# KiCad board Main_board.kicad_pcb
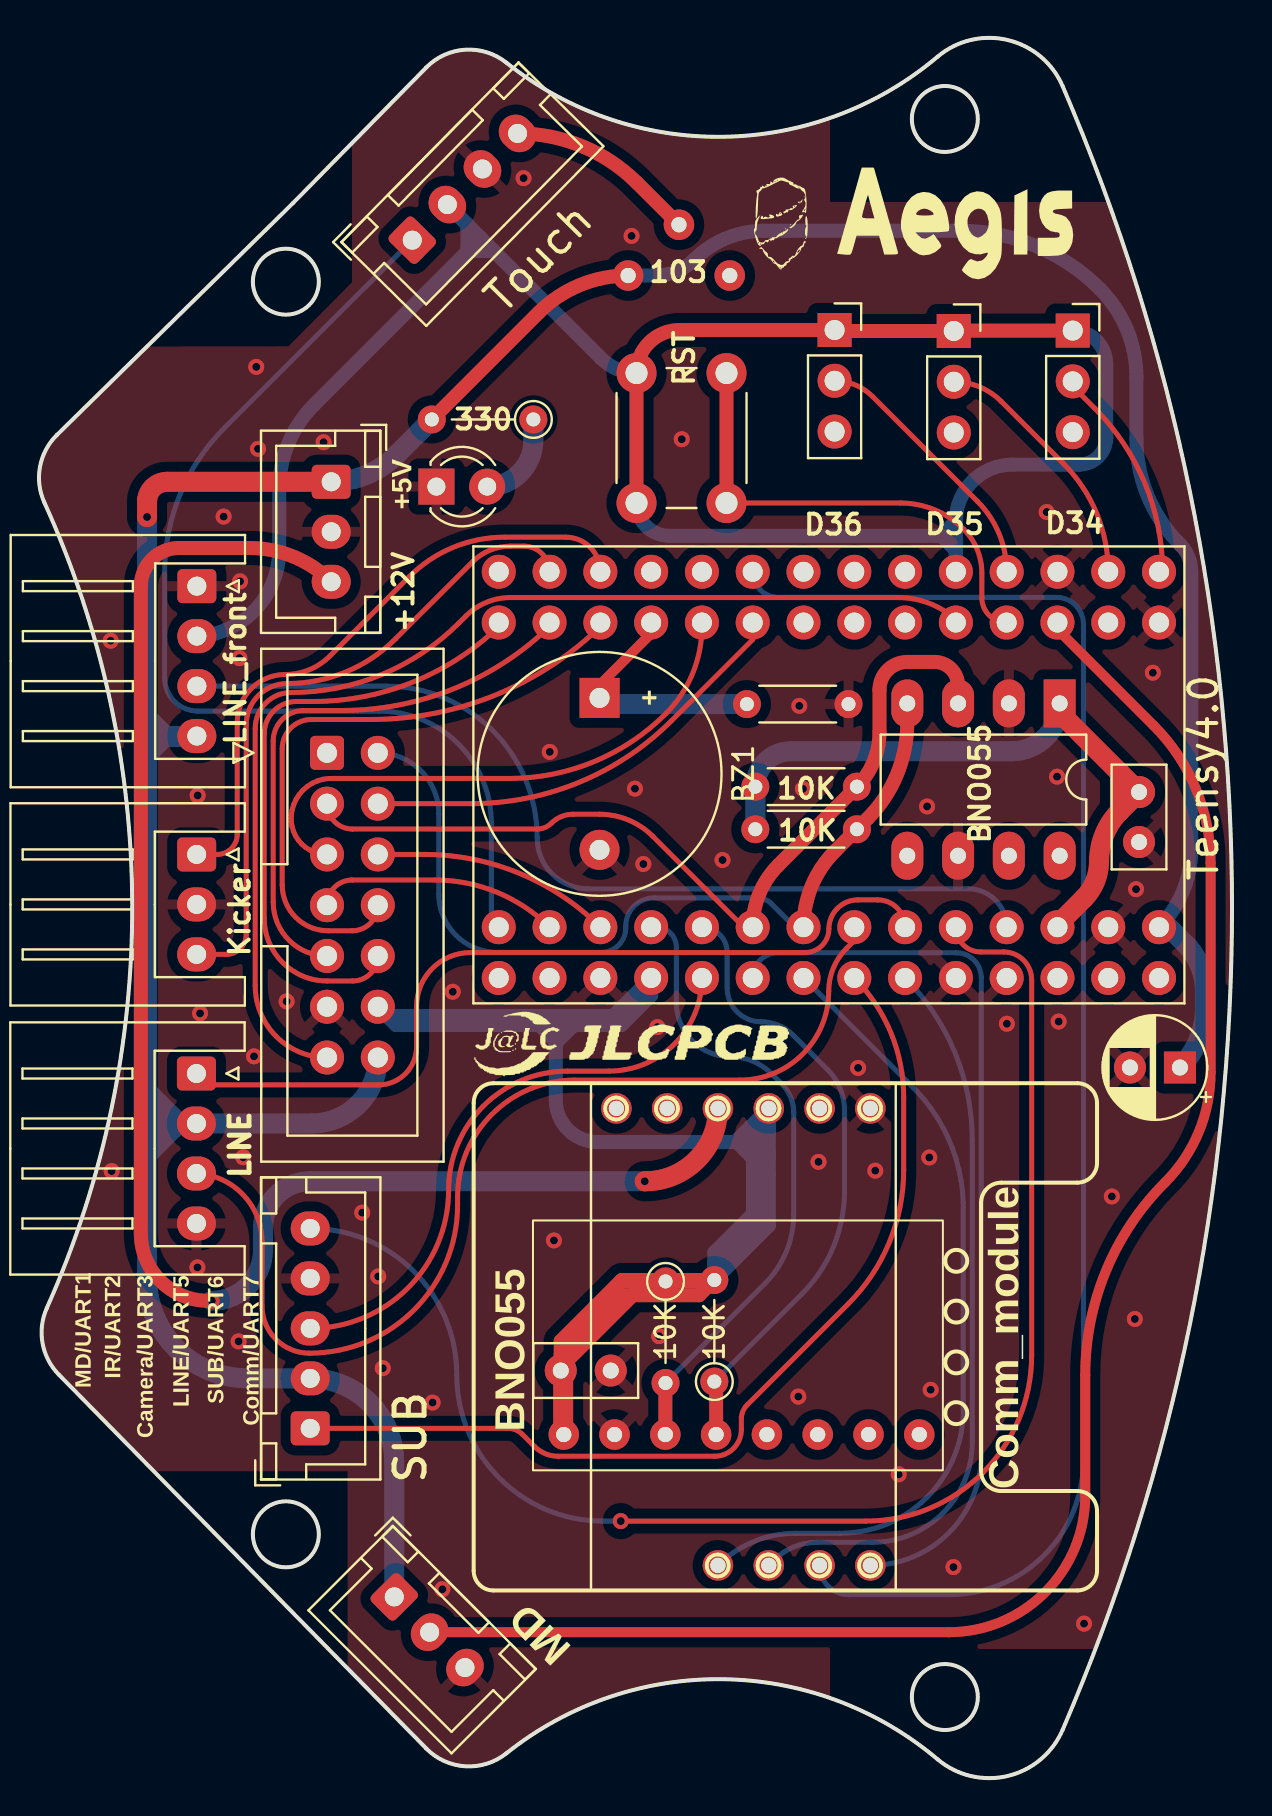
[diagram p0: board, top side]
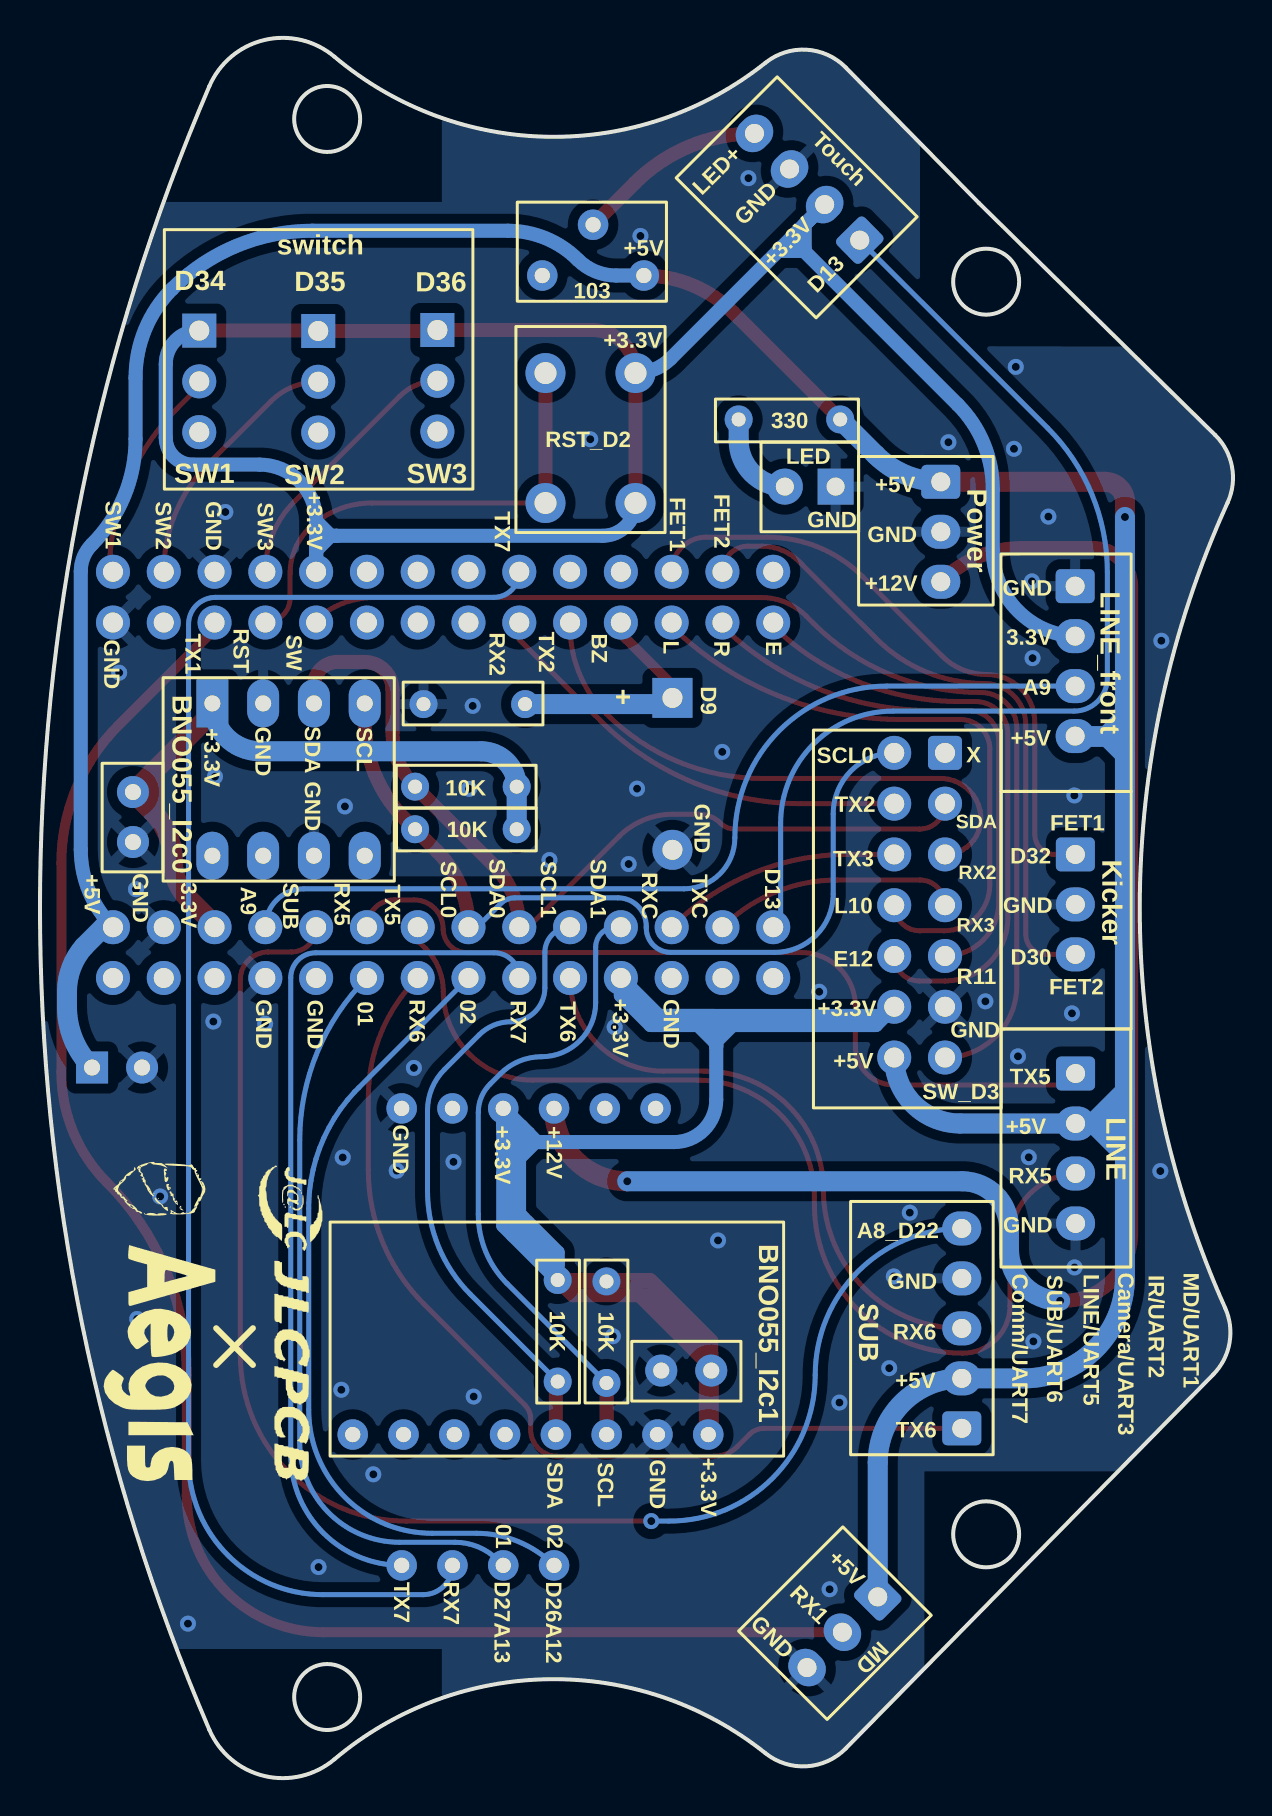
[diagram p1: board, bottom side, seen from below]

Outline 59.66 x 87.06 mm; copper layers: Top, Bottom. Coordinates in mm from the lower left corner of the outline.
Outline path: circle c12.35,74.86 r1.65 ; circle c12.35,12.2 r1.65 ; circle c45.3,83 r1.65 ; circle c45.3,4.06 r1.65 ; 0.27,63.81 arc(4.66,43.68) 0.39,23.52 arc(0.18,21.76) 0.99,20.19 19.37,1.49 arc(21.32,0.59) 23.38,1.24 arc(34.21,4.95) 44.94,0.94 arc(48.44,0.11) 51.19,2.42 arc(59.66,43.53) 51.19,84.64 arc(48.44,86.95) 44.94,86.12 arc(34.21,82.11) 23.38,85.82 arc(21.32,86.47) 19.37,85.57 12.71,78.8 0.9,67.19 arc(0.05,65.6) 0.27,63.81

## Placement (name value [footprint] x y rotation side)
10K  R  [R_Axial_DIN0204_L3.6mm_D1.6mm_P5.08mm_Horizontal]  40.9 47.47 180 top
10K#2  R  [R_Axial_DIN0204_L3.6mm_D1.6mm_P5.08mm_Horizontal]  40.9 49.6 180 top
103  R_Potentiometer_Trim_US  [可変抵抗]  32 75.17 0 top
330  LED  [LED_D3.0mm_Clear]  19.87 64.61 0 top
+12V  Power  [JST_XH_B3B-XH-A_1x03_P2.50mm_Vertical]  14.61 64.85 270 top
BNO1  ~  [BNO00]  24.7 15.65 90 top
BNO055  BNO055  [DIP-8_W7.62mm_LongPads]  51.04 53.76 270 top
BZ1  Buzzer  [Buzzer_12x9.5RM7.6]  28.03 54.04 270 top
C2  C  [CP_Radial_D5.0mm_P2.50mm]  57.06 35.55 180 top
C3  C  [C_Disc_D5.0mm_W2.5mm_P2.50mm]  55.01 46.83 90 top
C4  C  [C_Disc_D5.0mm_W2.5mm_P2.50mm]  26.09 20.39 0 top
D34  SW_DPST_x2  [PinSocket_1x03_P2.54mm_Vertical]  51.7 72.41 0 top
D35  SW_DPST_x2  [PinSocket_1x03_P2.54mm_Vertical]  45.75 72.39 0 top
D36  SW_DPST_x2  [PinSocket_1x03_P2.54mm_Vertical]  39.79 72.44 0 top
G***  LOGO  [ver4]  43.39 77.96 0 top
G***#2  LOGO  [JLCPCB]  29.53 36.7 0 top
G***#3  LOGO  [JLCPCB]  47.18 22.87 270 bottom
G***#4  LOGO  [ver4]  53.5 23.19 270 bottom
J10  ESP32  [IDC-Header_2x07_P2.54mm_Vertical]  14.4 51.29 0 top
Kicker  Kicker  [JST_XH_S3B-XH-A_1x03_P2.50mm_Horizontal]  7.88 46.21 270 top
LINE  Line  [JST_XH_S4B-XH-A_1x04_P2.50mm_Horizontal]  7.87 35.25 270 top
LINE_front  LINE_Front  [JST_XH_S4B-XH-A_1x04_P2.50mm_Horizontal]  7.89 59.63 270 top
MD  MD  [JST_XH_B3B-XH-A_1x03_P2.50mm_Vertical]  17.77 9.07 315 top
R1  10K  [R_Axial_DIN0204_L3.6mm_D1.6mm_P5.08mm_Vertical]  31.33 24.85 270 top
R2  10K  [R_Axial_DIN0204_L3.6mm_D1.6mm_P5.08mm_Vertical]  33.77 19.84 90 top
R3  R  [R_Axial_DIN0204_L3.6mm_D1.6mm_P5.08mm_Vertical]  24.72 67.97 180 top
R6  R  [R_Axial_DIN0204_L3.6mm_D1.6mm_P5.08mm_Horizontal]  35.4 53.73 0 top
RST  SW_Push  [SW_PUSH_6mm_H5mm]  29.88 63.79 90 top
SUB  Conn_01x05_Pin  [JST_XH_B5B-XH-A_1x05_P2.50mm_Vertical]  13.56 17.5 90 top
Touch  touch_sensor_1  [JST_XH_B4B-XH-A_1x04_P2.50mm_Vertical]  18.67 76.94 45.4 top
U1  Teensy4.0  [Teensy_Brakeout]  39.96 50.19 270 top
U3  ~  [comm]  21.26 22.07 90 top

## Library data of the parts
10K 10K#2 R1-R3 R6 = -: Description: Resistor
103 = -: Description: Trim-potentiometer, US symbol
330 = -: Description: Light emitting diode
+12V Kicker MD = -: Description: Generic connector, single row, 01x03, script generated
BZ1 = -: Description: Buzzer, polarized
C2-C4 = -: Description: Unpolarized capacitor
D34-D36 = -: Description: Single Pole Single Throw (SPST) switch, separate symbol
J10 = -: Description: Generic connector, double row, 02x07, top/bottom pin numbering scheme (row 1: 1...pins_per_row, row2: pins_per_row+1 ... num_pins), script generated (kicad-library-utils/schlib/autogen/connector/)
LINE LINE_front Touch = -: Description: Generic connector, single row, 01x04, script generated
RST = -: Description: Push button switch, generic, two pins
SUB = -: Description: Generic connector, single row, 01x05, script generated

## Footprints (pads in the part's own frame, mm; a bottom-side part is the same pattern mirrored in y, then rotated)
BNO00
  round 1.524 hole 0.762: 1(1.54,-1.54) 2(1.54,-4.08) 3(1.54,-6.62) 4(1.54,-9.16) 5(1.54,-11.7) 6(1.54,-14.24) 7(1.54,-16.78) 8(1.54,-19.32)
Buzzer_12x9.5RM7.6
  rect 2x2 hole 1: 1(0,0)
  round 2 hole 1: 2(7.6,0)
C_Disc_D5.0mm_W2.5mm_P2.50mm
  round 1.6 hole 0.8: 1(0,0) 2(2.5,0)
comm
  round 1.524 hole 0.762: 1(-11.43,-12.7) 2(-11.43,-15.24) 3(-11.43,-17.78) 4(-11.43,-20.32) 5(11.43,-7.62) 6(11.43,-10.16) 7(11.43,-12.7) 8(11.43,-15.24) 9(11.43,-17.78) 10(11.43,-20.32)
CP_Radial_D5.0mm_P2.50mm
  rect 1.6x1.6 hole 0.8: 1(0,0)
  round 1.6 hole 0.8: 2(2.5,0)
DIP-8_W7.62mm_LongPads
  rect 2.4x1.6 hole 0.8: 1(0,0)
  oval 2.4x1.6 hole 0.8: 2(0,-2.54) 3(0,-5.08) 4(0,-7.62) 5(7.62,-7.62) 6(7.62,-5.08) 7(7.62,-2.54) 8(7.62,0)
IDC-Header_2x07_P2.54mm_Vertical
  rrect 1.7x1.7 hole 1: 1(0,0)
  round 1.7 hole 1: 2(2.54,0) 3(0,-2.54) 4(2.54,-2.54) 5(0,-5.08) 6(2.54,-5.08) 7(0,-7.62) 8(2.54,-7.62) 9(0,-10.16) 10(2.54,-10.16) 11(0,-12.7) 12(2.54,-12.7) 13(0,-15.24) 14(2.54,-15.24)
JST_XH_B3B-XH-A_1x03_P2.50mm_Vertical
  rrect 1.7x1.95 hole 0.95: 1(0,0)
  oval 1.7x1.95 hole 0.95: 2(2.5,0) 3(5,0)
JST_XH_B4B-XH-A_1x04_P2.50mm_Vertical
  rrect 1.7x1.95 hole 0.95: 1(0,0)
  oval 1.7x1.95 hole 0.95: 2(2.5,0) 3(5,0) 4(7.5,0)
JST_XH_B5B-XH-A_1x05_P2.50mm_Vertical
  rrect 1.7x1.95 hole 0.95: 1(0,0)
  oval 1.7x1.95 hole 0.95: 2(2.5,0) 3(5,0) 4(7.5,0) 5(10,0)
JST_XH_S3B-XH-A_1x03_P2.50mm_Horizontal
  rrect 1.7x1.95 hole 0.95: 1(0,0)
  oval 1.7x1.95 hole 0.95: 2(2.5,0) 3(5,0)
JST_XH_S4B-XH-A_1x04_P2.50mm_Horizontal
  rrect 1.7x1.95 hole 0.95: 1(0,0)
  oval 1.7x1.95 hole 0.95: 2(2.5,0) 3(5,0) 4(7.5,0)
LED_D3.0mm_Clear
  rect 1.8x1.8 hole 0.9: 1(0,0)
  round 1.8 hole 0.9: 2(2.54,0)
PinSocket_1x03_P2.54mm_Vertical
  rect 1.7x1.7 hole 1: 1(0,0)
  oval 1.7x1.7 hole 1: 2(0,-2.54) 3(0,-5.08)
R_Axial_DIN0204_L3.6mm_D1.6mm_P5.08mm_Horizontal
  round 1.4 hole 0.7: 1(0,0)
  oval 1.4x1.4 hole 0.7: 2(5.08,0)
R_Axial_DIN0204_L3.6mm_D1.6mm_P5.08mm_Vertical
  round 1.4 hole 0.7: 1(0,0)
  oval 1.4x1.4 hole 0.7: 2(5.08,0)
SW_PUSH_6mm_H5mm
  round 2 hole 1.1: 1(0,0) 1(6.5,0) 2(0,-4.5) 2(6.5,-4.5)
Teensy_Brakeout
  round 1.7 hole 1: 1(-10.16,10.97) 1(-7.62,16.05) 1(7.62,13.51) 1(10.16,8.43) 1(10.16,5.89) 1(10.16,-11.89) 2(-7.62,13.51) 3(-7.62,10.97) 4(-7.62,8.43) 5(-7.62,5.89) 6(-7.62,3.35) 7(-7.62,0.81) 8(-7.62,-1.73) 9(-7.62,-4.27) 10(-7.62,-6.81) 11(-7.62,-9.35) 12(-7.62,-11.89) 13(-7.62,-14.43) 14(-7.62,-16.97) 15(-10.16,-16.97) 18(10.16,-14.43) 19(10.16,-16.97) 20(7.62,-16.97) 21(7.62,-14.43) 22(7.62,-11.89) 23(7.62,-9.35) 24(7.62,-6.81) 25(7.62,-4.27) 26(7.62,-1.73) 27(7.62,0.81) 28(7.62,3.35) 29(7.62,5.89) 30(7.62,8.43) 31(-10.16,5.89) 31(7.62,10.97) 31(10.16,-9.35) 33(7.62,16.05) 34(10.16,16.05) 35(10.16,-6.81) 36(10.16,0.81) 37(10.16,-1.73) 38(10.16,3.35) 39(10.16,-4.27) 40(-10.16,-4.27) 41(-10.16,-14.43) 42(-10.16,-6.81) 43(-10.16,-11.89) 44(-10.16,-9.35) 45(-10.16,16.05) 46(-10.16,13.51) 48(-10.16,8.43) 50(-10.16,3.35) 51(-10.16,0.81) 52(-10.16,-1.73) 53(10.16,13.51) 54(10.16,10.97)
可変抵抗
  round 1.524 hole 0.762: 1(-2.54,0) 2(0,2.54) 3(2.54,0)

## Nets
+3.3V: 10K.2 10K#2.2 BNO1.1 BNO055.1 C3.2 C4.1 D34.1 D35.1 D36.1 J10.12 LINE_front.2 R1.1 R2.2 RST.1 Touch.2 U1.31 U3.8
+5V: 103.1 +12V.1 C2.1 J10.14 LINE.2 LINE_front.4 MD.1 R3.2 SUB.2 U1.33
+12V: +12V.3 U3.7
GND: 330.1 +12V.2 BNO1.2 BNO055.2 BNO055.6 BZ1.2 C2.2 C3.1 C4.2 J10.11 Kicker.2 LINE.4 LINE_front.1 MD.3 R6.2 SUB.4 Touch.3 U1.1 U3.10
/01: U1.38 U3.2
/02: U1.37 U3.1
/Comm_RX: U1.40 U3.3
/Comm_TX: U1.39 U3.4
CN1_Touch_sensor: Touch.1 U1.20
DA_SUB: SUB.5 U1.29
FET1: Kicker.1 U1.43
FET2: Kicker.3 U1.41
Gyro_reset: RST.2 U1.4
Gyro_SCL: BNO1.3 R1.2 U1.23
Gyro_SDA: BNO1.4 R2.1 U1.24
LCD-TeensyD10: J10.8 U1.12
LCD-TeensyD11: J10.9 U1.13
LCD-TeensyD12: J10.10 U1.14
LED1: 103.2 Touch.4
LINE_front: LINE_front.3 U1.30
RX_Ball: J10.5 U1.10
RX_camera: J10.7 U1.21
RX_Line: LINE.3 U1.27
RX_MD: MD.2 U1.3
RX_sub: SUB.3 U1.35
SCL: 10K.1 BNO055.4 J10.2 U1.26
SDA: 10K#2.1 BNO055.3 J10.3 U1.25
switch: J10.13 U1.5
T_SW1: D34.2 U1.45
T_SW2: D35.2 U1.46
T_SW3: D36.2 U1.48
TX_Ball: J10.4 U1.9
TX_camera: J10.6 U1.22
TX_Line: LINE.1 U1.28
TX_sub: SUB.1 U1.36
Net-(BZ1--): BZ1.1 R6.1 U1.11
Net-(D1-A): 330.2 R3.1

Pads without a net: 103 3; BNO1 5 6 7 8; BNO055 5 7 8; D34 3; D35 3; D36 3; J10 1; U1 2 6 7 8 15 18 19 34 42 44 50 51 52 53 54; U3 5 6 9

## Via types
v1: diameter 0.8, hole 0.4, Top to Bottom, 55 vias

## Routing (per net, layer and track width the routed paths; a pad name or vN(x,y) marks a point on that pad's centre or on a via; arc(x,y) is an arc through that point)
+3.3V: length 287.2
  Top w0.7: R1.1 33.7,24.85 R2.2 ; R1.1 31.4,24.92 R2.2 ; R1.1 29.08,24.85 26.09,21.86 ; C4.1 26.09,21.21 29.04,24.16 33.01,24.16 R2.2 ; C4.1 26.09,20.56 30.45,24.92 R2.2 ; C4.1 26.09,21.86 ; R2.2 29.15,24.92 26.09,21.86 ; D34.1 45.77,72.41 D35.1 39.84,72.39 D36.1 32.04,72.44 arc(30.52,71.81) RST.1 RST.1 ; U1.31 30.61,39.75 ; 36.5,33.87 U3.8
  Top w1: BNO1.1 26.21,17.22 26.21,20.27 C4.1 ; 54.01,50.33 C3.2 54.06,48.37 ; 54.01,50.33 54.06,50.28 54.06,48.37 ; 54.01,50.33 51.04,53.3 BNO055.1 ; 54.06,48.37 arc(53.29,47.22) 53.01,45.85 arc(52.82,44.85) 52.25,44 50.93,42.69 U1.31
  Bottom w0.7: 35.69,31.82 36.5,31.01 ; 35.69,31.82 35.24,31.82 ; 35.69,31.82 35.7,31.8 35.7,28.23 ; 36.5,31.01 36.5,31.28 ; 36.5,31.01 36.5,30.22 ; 33.77,25.75 33.77,26.3 35.7,28.23 ; 33.77,25.75 35.64,27.62 36.02,27.62 ; 33.77,25.75 R2.2 36.02,27.16 ; 25.84,36.85 25.02,37.67 ; 25.84,36.85 25.93,36.85 26.75,37.67 ; 25.84,36.85 25.84,36.6 ; 25.02,37.67 17.86,37.67 J10.12 17.4,38.13 28.71,38.13 ; 25.02,37.67 26.75,37.67 ; 36.02,27.62 36.02,27.16 ; 36.02,27.62 36.02,28.23 ; 45.12,62.15 45.85,62.88 ; 45.12,62.15 45.85,61.42 U1.31 45.85,62.15 44.83,62.15 ; 45.12,62.15 44.83,62.15 ; 45.85,62.88 45.85,60.51 46.03,60.33 ; 45.85,62.88 arc(46.68,64.88) 48.68,65.71 52.02,65.71 arc(52.98,66.11) 53.37,67.06 53.37,70.74 arc(52.88,71.92) D34.1 ; 36.02,27.16 36.5,27.64 36.5,30.22 ; 36.5,30.22 35.75,30.97 ; Touch.2 22.1,77.04 21.41,76.36 ; Touch.2 21.42,77.72 21.42,76.54 21.51,76.45 ; Touch.2 22.69,76.45 ; 26.75,37.67 29.13,37.67 30.61,39.16 U1.31 28.71,38.13 ; 44.83,62.15 31.52,62.15 arc(30.36,62.63) RST.1 ; 36.5,32.68 U3.8 ; 36.5,32.68 36.5,32.31 ; 36.5,32.68 35.64,31.82 35.24,31.82 ; U3.8 35.6,32.61 ; U3.8 36.5,31.28 ; 28.71,38.13 25.94,38.13 25.84,38.03 25.84,36.6 ; 34.81,31.82 35.6,32.61 ; 34.81,31.82 33.89,31.82 ; 34.81,31.82 34.9,31.82 35.75,30.97 ; 35.6,32.61 35.24,32.25 ; 36.5,32.31 36.44,32.25 35.24,32.25 ; 36.5,32.31 36.01,31.82 ; 21.51,76.45 21.41,76.36 ; 21.51,76.45 21.56,76.4 22.63,76.4 22.69,76.45 ; 36.02,28.23 36.02,30.7 35.75,30.97 ; 36.02,28.23 35.7,28.23 ; 33.89,31.82 27.95,31.82 arc(26.46,32.44) 25.84,33.93 25.84,36.6 ; 33.89,31.82 35.24,31.82 ; 22.69,76.45 28.12,71.02 arc(28.93,70.48) RST.1 ; 35.24,31.82 36.01,31.82 ; 35.24,31.82 35.24,32.25 ; 21.41,76.36 13.77,68.71 arc(12.47,66.77) 12.01,64.48 12.01,61.45 arc(10.74,58.38) 7.67,57.11 ; 36.01,31.82 36.5,31.33 36.5,31.28
  Bottom w1: 10K.2 10K#2.2 arc(36.34,50.85) 37.59,51.37 48.65,51.37 arc(50.34,52.07) BNO055.1
+5V: length 186
  Top w0.7: R3.2 24.99,73.32 arc(27.04,74.69) 103.1
  Top w1: +12V.1 6.41,64.85 arc(5.73,64.58) 5.41,63.93 v1(5.41,63.09)
  Bottom w0.7: 103.1 30.85,75.17 arc(31.89,75.38) 32.77,75.96 arc(34.37,77.03) 36.26,77.41 46.04,77.41 arc(49.83,76.66) 53.05,74.51 arc(54.41,72.47) 54.88,70.07 54.88,66.99 arc(55.45,64.13) 57.07,61.71 arc(57.48,61.1) 57.62,60.38 57.62,46.46 arc(57.21,44.35) U1.33
  Bottom w1: 5.4,34.36 5.4,32.77 ; 5.4,34.36 5.4,51.21 ; 5.4,34.36 6.99,32.77 ; 5.4,32.77 7.7,32.77 7.72,32.75 13.64,32.75 arc(15.98,33.72) J10.14 ; 5.4,32.77 5.4,31.18 ; 5.4,31.18 5.4,25.05 arc(6.88,21.48) 10.45,20 SUB.2 arc(16.54,18.77) 17.77,15.8 MD.1 ; 5.4,31.18 6.99,32.77 ; 6.99,32.77 7.85,32.77 LINE.2 ; 5.4,51.21 5.4,52.11 ; 5.4,51.21 6.3,52.11 7.67,52.11 ; 5.4,52.11 7.67,52.11 ; 5.4,52.11 5.4,54.06 ; v1(5.4,63.09) 5.4,54.06 ; 5.4,54.06 5.4,53.05 6.35,52.11 7.67,52.11 ; R3.2 17.87,66.2 arc(16.38,65.2) +12V.1 ; U1.33 56.49,42.57 57.46,41.6 arc(58.09,40.55) 58.31,39.35 58.31,38.58 arc(57.99,36.94) C2.1
+12V: length 80.2
  Top w0.7: v1(8.64,23.88) 8.47,23.88 arc(6.08,24.87) 5.09,27.25 5.09,59.63 arc(5.65,60.98) 7.01,61.54 10.53,61.54 arc(12.74,61.1) +12V.3
  Top w1: v1(30.29,29.86) 30.31,29.86 arc(32.89,30.93) U3.7
  Bottom w1: v1(30.29,29.86) 13.54,29.86 arc(11.89,29.18) 11.2,27.52 11.2,26.44 arc(10.45,24.63) v1(8.64,23.88)
GND:
  vias: v1(3.58,56.9) v1(3.63,30.37) v1(7.93,49.16) v1(7.92,25.55) v1(8.05,38.26) v1(9.23,63.11) v1(9.98,21.85) v1(10.05,59.87) v1(10.02,56.03) v1(10.21,31.06) v1(10.75,36.11) v1(10.86,70.6) v1(10.95,66.5) v1(12.38,38.86) v1(14.23,66.83) v1(16.16,28.29) v1(16.96,25.1) v1(17.19,20.51) v1(19.68,18.79) v1(20.17,9.45) v1(20.69,39.34) v1(24.23,80.04) v1(25.54,51.34) v1(25.75,26.9) v1(29.63,77.15) v1(29.8,49.5) v1(30.22,45.73) v1(30.92,37.57) v1(31.01,22.11) v1(32.14,66.98) v1(34.18,45.93) v1(37.97,19.09) v1(38.02,53.64) v1(38.2,49.49) v1(38.98,30.83) v1(40.96,35.53) v1(41.82,30.39) v1(42.99,15.2) v1(44.41,48.61) v1(44.52,31.05) v1(44.59,19.43) v1(45.73,10.56) v1(48.4,37.74) v1(50.39,63.34) v1(50.91,50.1) v1(50.99,37.85) v1(52.26,7.73) v1(53.65,29.1) v1(54.8,22.97) v1(54.86,44.47) v1(55.7,55.3)
/01: length 37.5
  Bottom w0.25: U3.2 36.77,10.91 arc(37.75,11.57) 38.91,11.8 41.68,11.8 arc(45.21,13.26) 46.67,16.8 46.67,31.92 arc(45.8,36.31) U1.38
/02: length 40.8
  Bottom w0.25: U1.37 43.73,34.53 43.92,34.34 44.29,33.92 44.63,33.47 44.94,33.01 45.22,32.53 45.47,32.03 45.68,31.51 45.86,30.98 46,30.45 46.11,29.9 46.19,29.35 46.22,28.79 46.22,28.51 46.22,18.42 arc(44.42,14.06) 40.05,12.25 37.83,12.25 arc(35.73,11.83) U3.1
/Comm_RX: length 77.7
  Bottom w0.25: U3.3 arc(39.47,9.61) 40.5,9.18 45.51,9.18 arc(50.27,11.15) 52.23,15.9 52.23,57.72 arc(51.84,58.67) 50.89,59.07 36.97,59.07 arc(36.07,59.44) U1.40
/Comm_TX: length 46.1
  Bottom w0.25: 35.24,39.58 U1.39 arc(36.06,40.92) 36.95,41.29 45.88,41.29 arc(46.76,40.92) 47.12,40.04 47.12,16.19 arc(45.5,12.27) U3.4
CN1_Touch_sensor: length 52.4
  Bottom w0.25: U1.20 22.62,42.94 22.62,47.76 arc(20.98,51.73) 17,53.38 7.95,53.38 arc(6.77,53.87) 6.28,55.04 6.28,60.32 arc(7.06,64.23) 9.28,67.55 Touch.1
DA_SUB: length 73.2
  Top w0.25: v1(29.09,12.86) 41.35,12.86 arc(47.21,15.29) 49.64,21.16 49.64,39.94 arc(49.24,40.92) 48.25,41.33 47.09,41.33 arc(46.22,41.69) U1.29
  Bottom w0.25: v1(29.09,12.86) 28.2,12.86 arc(23.04,15) 20.89,20.17 arc(18.75,25.35) SUB.5
FET1: length 31.1
  Top w0.25: Kicker.1 8.91,46.21 arc(9.62,46.5) 9.91,47.21 9.91,52.81 arc(10.62,54.51) 12.31,55.21 arc(13.52,55.45) 14.55,56.14 18.53,60.11 arc(20.71,61.57) 23.28,62.08 26.34,62.08 arc(27.57,61.57) U1.43
FET2: length 33
  Top w0.25: Kicker.3 9.36,41.21 arc(10.07,41.5) 10.36,42.21 10.36,52.7 arc(10.97,54.15) 12.43,54.76 arc(15.35,55.34) 17.83,57 21.68,60.85 arc(22.55,61.43) 23.57,61.63 24.25,61.63 arc(25.16,61.25) U1.41
Gyro_reset: length 24.3
  Top w0.25: RST.2 43.08,63.79 arc(44.79,63.45) 46.25,62.48 arc(46.92,61.47) 47.15,60.28 47.15,59.05 arc(47.52,58.17) U1.4
  Top w0.7: RST.2 RST.2
Gyro_SCL: length 32
  Top w0.7: R1.2 31.32,19.76 BNO1.3
  Bottom w0.25: R1.2 36.31,24.74 arc(37.37,26.33) 37.74,28.21 37.74,33.3 arc(37.59,34.07) 37.16,34.72 36.63,35.24 arc(35.69,35.87) 34.59,36.09 arc(32.67,36.88) 31.87,38.8 31.87,41.57 arc(31.58,42.28) 30.87,42.57 U1.23
Gyro_SDA: length 31.6
  Top w0.7: BNO1.4 33.86,19.75 33.74,19.87
  Bottom w0.25: R2.1 38.15,24.21 arc(39.73,26.58) 40.28,29.37 40.28,33.41 arc(40.07,34.51) 39.44,35.44 37.7,37.18 arc(36.97,37.67) 36.11,37.84 arc(34.91,38.34) 34.41,39.54 34.41,41.31 arc(34.05,42.2) U1.24
LCD-TeensyD10: length 31.8
  Top w0.25: 28.25,57.79 arc(22.9,54.21) 16.59,52.96 13.63,52.96 arc(12.59,52.53) 12.16,51.5 12.16,44.69 arc(12.84,43.06) 14.46,42.39 15.66,42.39 arc(16.57,42.76) J10.8
LCD-TeensyD11: length 28.3
  Top w0.25: 25.71,57.79 arc(20.86,54.55) 15.14,53.41 13.24,53.41 arc(12.16,52.96) 11.71,51.88 11.71,43.82 arc(12.5,41.92) J10.9
LCD-TeensyD12: length 31.3
  Top w0.25: J10.10 arc(16.58,40.25) 15.69,39.88 14.41,39.88 arc(12.18,40.8) 11.26,43.02 11.26,52.24 arc(11.74,53.39) 12.88,53.86 13.69,53.86 arc(18.82,54.88) 23.17,57.79
LED1: length 9.6
  Top w0.7: 103.2 29.91,79.8 arc(27.17,81.63) Touch.4
LINE_front: length 47.6
  Bottom w0.25: 7.67,54.61 7.69,54.63 17.32,54.63 arc(22.69,52.41) 24.91,47.04 arc(25.66,45.24) 27.46,44.49 46.47,44.49 arc(47.83,43.93) U1.30
RX_Ball: length 28.7
  Top w0.25: J10.5 14.28,46.21 14.02,46.25 13.78,46.32 13.55,46.43 13.33,46.56 13.14,46.73 12.97,46.93 12.83,47.14 12.72,47.37 12.65,47.62 12.62,47.87 12.61,48 12.62,48.14 12.66,48.43 12.74,48.7 12.86,48.96 13.01,49.21 13.2,49.42 13.42,49.61 13.66,49.77 13.92,49.89 14.2,49.97 14.48,50.01 14.62,50.01 23.52,50.01 arc(27.76,50.85) 31.35,53.25 arc(32.68,55.25) 33.15,57.61 33.33,57.79
RX_camera: length 12.7
  Top w0.25: 25.71,42.55 25.55,42.55 arc(22.92,44.31) 19.81,44.93 15.66,44.93 arc(14.77,44.56) J10.7
RX_Line: length 52.4
  Top w0.25: U1.27 40.77,41.9 40.38,41.51 arc(39.73,40.52) 39.49,39.36 arc(38.19,36.22) 35.05,34.92 26.78,34.92 arc(22.65,33.21) 20.93,29.07 20.93,28.67 arc(18.76,23.43) 13.52,21.26 arc(11.85,21.95) 11.15,23.63 11.15,26.82 arc(10.15,29.24) 7.72,30.25 7.7,30.27
RX_MD: length 84.8
  Top w0.5: U1.3 50.93,57.47 55.75,52.65 arc(57.85,49.5) 58.59,45.79 58.59,35.3 arc(58,32.32) 56.32,29.8 arc(53.36,25.38) 52.32,20.16 52.32,14.13 arc(50.32,9.3) 45.49,7.3 MD.2
RX_sub: length 29.6
  Top w0.25: U1.35 arc(31.79,36.73) 28.49,35.37 26.43,35.37 arc(22.23,33.63) 20.48,29.42 arc(18.46,24.53) SUB.3
SCL: length 43.7
  Top w0.7: 41.01,47.58 41.43,48 arc(42.91,50.2) 43.42,52.81 BNO055.4 ; 10K.1 39.81,46.38 arc(38.64,44.63) U1.26
  Bottom w0.25: 38.25,42.55 38.41,42.55 ; U1.26 37.8,42.57 36.56,43.81 arc(36.26,43.98) 35.92,44.04 30.77,44.04 arc(29.76,43.62) 29.34,42.62 29.34,42.53 arc(28.99,41.67) 28.12,41.31 22.92,41.31 arc(20.85,42.17) 19.99,44.23 19.99,48.24 arc(19.1,50.4) J10.2
SDA: length 45
  Top w0.25: 35.87,42.55 35.26,42.55 30.7,47.11 arc(29.48,47.93) 28.03,48.22 26.71,48.22 arc(26.12,48.1) 25.63,47.77 arc(25.3,47.56) 24.92,47.48 15.67,47.48 arc(14.78,47.85) J10.3
  Top w0.7: 35.71,42.55 U1.25 arc(36.03,44.25) 36.98,45.68 10K#2.1 arc(41.74,50.85) 42.03,52.33 42.03,54.44 arc(42.44,55.43) 43.43,55.84 44.78,55.84 arc(45.62,55.49) 45.96,54.65 BNO055.3
switch: length 56.4
  Top w0.25: J10.13 arc(11.87,37.1) 10.81,39.64 10.81,52.51 arc(11.34,53.78) 12.61,54.31 arc(17.15,55.21) 21,57.78 21.35,58.14 arc(22.37,58.82) 23.58,59.06 42.97,59.06 arc(44.63,58.73) 46.03,57.79
T_SW1: length 10.9
  Top w0.25: D34.2 51.7,69.62 52.8,68.52 arc(55.31,64.76) 56.19,60.33
T_SW2: length 13
  Top w0.25: U1.46 arc(52.89,63.28) 51.23,65.76 48.12,68.87 arc(47.03,69.6) D35.2
T_SW3: length 13.4
  Top w0.25: U1.48 arc(48.02,62.25) 46.94,63.87 41.68,69.12 arc(40.81,69.7) D36.2
TX_Ball: length 22.6
  Top w0.25: J10.4 21.62,48.75 arc(27.04,49.83) 31.63,52.9 35.69,56.96 U1.9 35.85,57.81 35.87,57.79
TX_camera: length 12.3
  Top w0.25: 28.25,42.55 28.09,42.55 arc(24.04,45.26) 19.26,46.21 J10.6
TX_Line: length 43
  Top w0.25: 7.7,35.27 8.29,34.68 16.97,34.68 arc(18.32,35.24) 18.88,36.59 18.88,38.61 arc(19.67,40.51) 21.58,41.3 38.32,41.3 arc(39.16,41.65) 39.5,42.49 arc(39.93,43.51) 40.95,43.93 41.95,43.93 arc(42.91,43.53) U1.28 ; 43.29,42.55 43.49,42.55
TX_sub: length 49
  Top w0.25: SUB.1 23.46,17.5 arc(23.84,17.42) 24.17,17.21 24.78,16.59 arc(25.32,16.23) 25.96,16.1 33.79,16.1 arc(34.73,16.49) 35.13,17.44 35.13,18.06 arc(35.22,18.39) 35.42,18.68 40.47,23.73 arc(42.52,26.8) 43.24,30.42 43.24,34.07 arc(42.6,37.29) U1.36
Net-(BZ1--): length 14
  Top w0.5: BZ1.1 28.03,54.68 30.61,57.26 U1.11
  Top w0.7: BZ1.1 28.03,54.5
  Bottom w0.5: U1.11 30.61,57.24 ; 28.03,54.66 BZ1.1
  Bottom w1: R6.1 28.34,53.73 BZ1.1
Net-(D1-A): length 4.7
  Bottom w1: R3.1 24.72,66.92 arc(24.05,65.29) 330.2

## Copper pours and planes (outline as drawn; the poured copper is in the pictures)
GND on Top, Bottom: -12.51,96.63 -12.51,-4.97 73.85,-4.97 73.85,96.63

## Text on the board
B.Silkscreen: RX2 | SDA | RX3 | D30 | TX5 | SCL0 | MD/UART1 | IR/UART2 | Camera/UART3 | LINE/UART5 | SUB/UART6 | Comm/UART7 | FET1 | FET2 | A9 | +5V | D32 | RX5 | 3.3V | GND | R11 | X | SW_D3 | TX6 | RX6 | A8_D22 | +12V | TX2 | TX3 | L10 | E12 | +3.3V | LED | 330 | 103 | RST_D2 | 10K | Touch | RX1 | E | D13 | R | D9 | TXC | L | RXC | SCL | BZ | SDA1 | 02 | D26A12 | SCL1 | RX7 | 01 | TX7 | D27A13 | SDA0 | SW | SUB | SW3 | RST | TX1 | SW2 | SW1 | MD | LED+ | D36 | switch | D35 | D34 | LINE | Kicker | LINE_front | Power | BNO055_I2c1 | BNO055_I2c0 | +
F.Silkscreen: MD/UART1 | IR/UART2 | Camera/UART3 | LINE/UART5 | SUB/UART6 | Comm/UART7 | +5V | BNO055 | Comm_module | MD
